# KiCad board Eclipse60.kicad_pcb (continued)
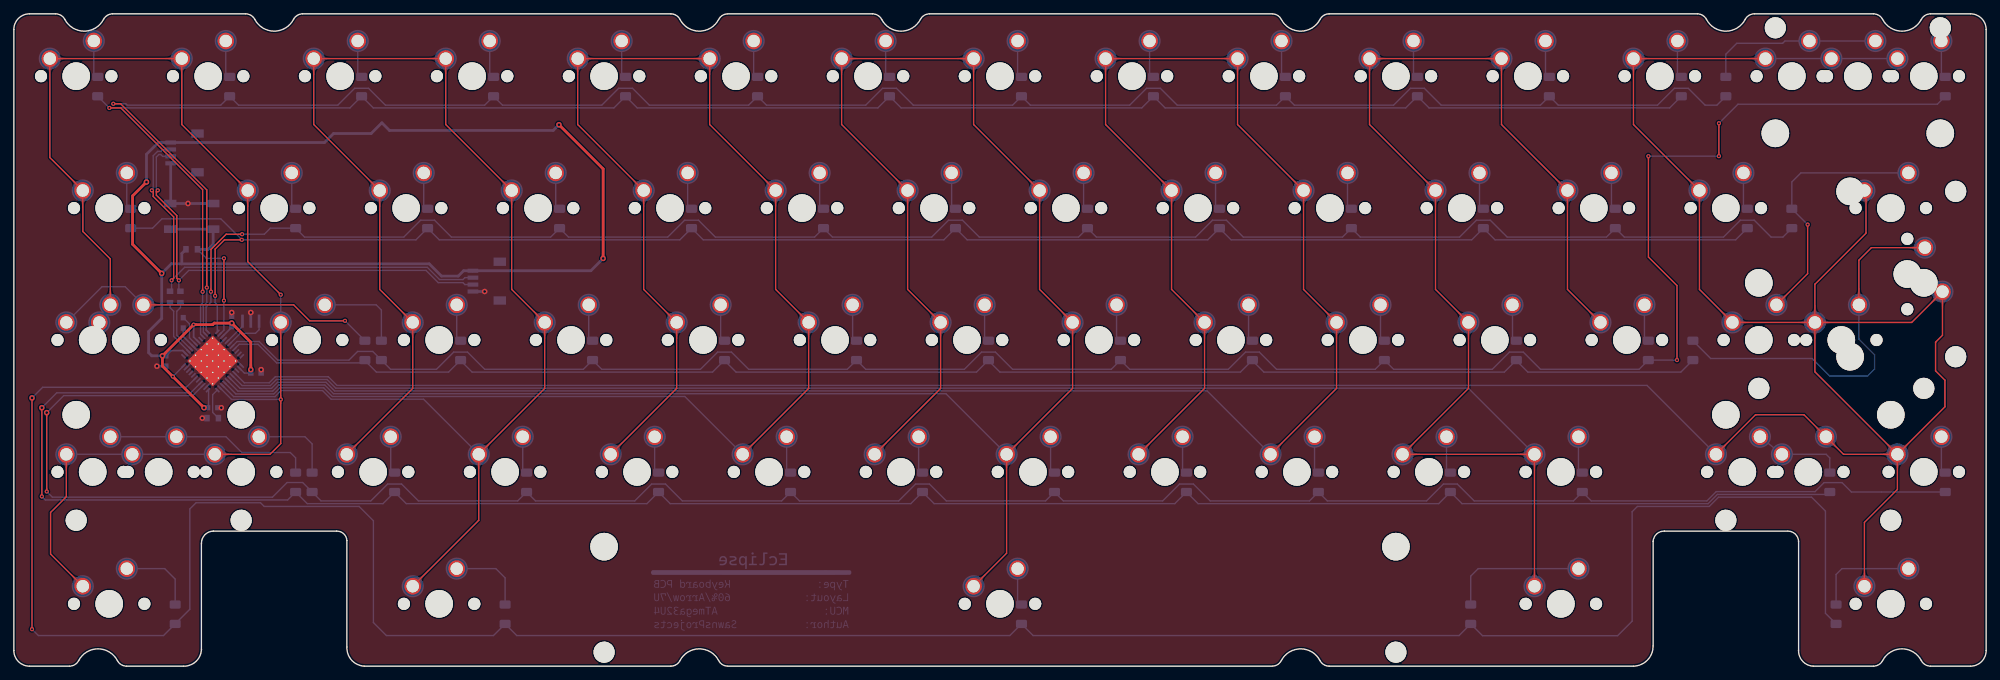
[diagram p0: board, top side]
## Copper pours and planes (outline as drawn; the poured copper is in the pictures) (continued)
C1 on Top: 62.44,85.35 62.44,85.45 62.45,85.55 62.46,85.64 62.47,85.72 62.48,85.8 62.5,85.87 62.52,85.94 62.55,86 62.57,86.06 62.6,86.12 62.63,86.17 62.67,86.22 62.7,86.27 62.74,86.32 63.12,86.74 63.16,86.8 63.21,86.86 63.25,86.92 63.29,86.99 63.34,87.06 63.38,87.14 63.42,87.22 62.34,88.34 61.26,87.22 61.3,87.14 61.34,87.06 61.39,86.99 61.43,86.92 61.47,86.86 61.52,86.8 61.56,86.74 61.94,86.32 61.98,86.27 62.01,86.22 62.05,86.17 62.08,86.12 62.11,86.06 62.13,86 62.16,85.94 62.18,85.87 62.2,85.8 62.21,85.72 62.22,85.64 62.23,85.55 62.24,85.45 62.24,85.35
C1 on Top: 70.1,70.31 70.18,70.24 70.24,70.17 70.29,70.1 70.34,70.03 70.39,69.96 70.43,69.9 70.46,69.84 70.49,69.77 70.51,69.71 70.53,69.65 70.55,69.59 70.56,69.53 70.57,69.48 70.58,69.42 70.61,68.85 70.62,68.78 70.63,68.7 70.64,68.63 70.66,68.55 70.68,68.47 70.7,68.38 70.73,68.3 72.29,68.27 72.26,69.82 72.17,69.85 72.09,69.88 72.01,69.9 71.93,69.91 71.85,69.93 71.78,69.94 71.71,69.94 71.14,69.98 71.08,69.99 71.02,70 70.96,70.01 70.9,70.03 70.84,70.05 70.78,70.07 70.72,70.1 70.66,70.13 70.59,70.17 70.53,70.21 70.46,70.26 70.39,70.32 70.32,70.38 70.25,70.45
C1 on Top: 74.87,51.26 74.94,51.19 75,51.12 75.06,51.05 75.11,50.98 75.15,50.91 75.19,50.85 75.22,50.79 75.25,50.72 75.27,50.66 75.29,50.6 75.31,50.54 75.32,50.48 75.33,50.43 75.34,50.37 75.37,49.8 75.38,49.73 75.39,49.65 75.41,49.58 75.42,49.5 75.44,49.42 75.47,49.33 75.49,49.25 77.05,49.22 77.02,50.77 76.93,50.8 76.85,50.83 76.77,50.85 76.69,50.86 76.62,50.88 76.54,50.89 76.47,50.89 75.9,50.93 75.84,50.94 75.78,50.95 75.72,50.96 75.66,50.98 75.6,51 75.54,51.02 75.48,51.05 75.42,51.08 75.35,51.12 75.29,51.16 75.22,51.21 75.15,51.27 75.08,51.33 75.01,51.4
C1 on Top: 71.97,66.3 71.97,66.4 71.97,66.5 71.98,66.59 71.99,66.67 72.01,66.75 72.03,66.82 72.05,66.89 72.07,66.95 72.1,67.01 72.13,67.07 72.16,67.12 72.19,67.17 72.23,67.22 72.26,67.27 72.64,67.69 72.69,67.75 72.73,67.81 72.77,67.87 72.82,67.94 72.86,68.01 72.9,68.09 72.95,68.17 71.87,69.29 70.79,68.17 70.83,68.09 70.87,68.01 70.91,67.94 70.96,67.87 71,67.81 71.04,67.75 71.09,67.69 71.47,67.27 71.5,67.22 71.54,67.17 71.57,67.12 71.6,67.07 71.63,67.01 71.66,66.95 71.68,66.89 71.7,66.82 71.72,66.75 71.74,66.67 71.75,66.59 71.76,66.5 71.76,66.4 71.77,66.3
C1 on Top: 55.82,51.26 55.89,51.19 55.95,51.12 56.01,51.05 56.06,50.98 56.1,50.91 56.14,50.85 56.17,50.79 56.2,50.72 56.22,50.66 56.24,50.6 56.26,50.54 56.27,50.48 56.28,50.43 56.29,50.37 56.32,49.8 56.33,49.73 56.34,49.65 56.36,49.58 56.37,49.5 56.39,49.42 56.42,49.33 56.44,49.25 58,49.22 57.97,50.77 57.88,50.8 57.8,50.83 57.72,50.85 57.64,50.86 57.57,50.88 57.49,50.89 57.42,50.89 56.85,50.93 56.79,50.94 56.73,50.95 56.67,50.96 56.61,50.98 56.55,51 56.49,51.02 56.43,51.05 56.37,51.08 56.3,51.12 56.24,51.16 56.17,51.21 56.1,51.27 56.03,51.33 55.96,51.4
C1 on Top: 52.92,66.3 52.92,66.4 52.92,66.5 52.93,66.59 52.94,66.67 52.96,66.75 52.98,66.82 53,66.89 53.02,66.95 53.05,67.01 53.08,67.07 53.11,67.12 53.14,67.17 53.18,67.22 53.21,67.27 53.59,67.69 53.64,67.75 53.68,67.81 53.72,67.87 53.77,67.94 53.81,68.01 53.85,68.09 53.9,68.17 52.82,69.29 51.74,68.17 51.78,68.09 51.82,68.01 51.86,67.94 51.91,67.87 51.95,67.81 51.99,67.75 52.04,67.69 52.42,67.27 52.45,67.22 52.49,67.17 52.52,67.12 52.55,67.07 52.58,67.01 52.61,66.95 52.63,66.89 52.65,66.82 52.67,66.75 52.69,66.67 52.7,66.59 52.71,66.5 52.71,66.4 52.72,66.3
C1 on Top: 51.05,70.31 51.13,70.24 51.19,70.17 51.24,70.1 51.29,70.03 51.34,69.96 51.38,69.9 51.41,69.84 51.44,69.77 51.46,69.71 51.48,69.65 51.5,69.59 51.51,69.53 51.52,69.48 51.53,69.42 51.56,68.85 51.57,68.78 51.58,68.7 51.59,68.63 51.61,68.55 51.63,68.47 51.65,68.38 51.68,68.3 53.24,68.27 53.21,69.82 53.12,69.85 53.04,69.88 52.96,69.9 52.88,69.91 52.8,69.93 52.73,69.94 52.66,69.94 52.09,69.98 52.03,69.99 51.97,70 51.91,70.01 51.85,70.03 51.79,70.05 51.73,70.07 51.67,70.1 51.61,70.13 51.54,70.17 51.48,70.21 51.41,70.26 51.34,70.32 51.27,70.38 51.2,70.45
C1 on Top: 43.39,85.35 43.39,85.45 43.4,85.55 43.41,85.64 43.42,85.72 43.43,85.8 43.45,85.87 43.47,85.94 43.5,86 43.52,86.06 43.55,86.12 43.58,86.17 43.62,86.22 43.65,86.27 43.69,86.32 44.07,86.74 44.11,86.8 44.16,86.86 44.2,86.92 44.24,86.99 44.29,87.06 44.33,87.14 44.37,87.22 43.29,88.34 42.21,87.22 42.25,87.14 42.29,87.06 42.34,86.99 42.38,86.92 42.42,86.86 42.47,86.8 42.51,86.74 42.89,86.32 42.93,86.27 42.96,86.22 43,86.17 43.03,86.12 43.06,86.06 43.08,86 43.11,85.94 43.13,85.87 43.15,85.8 43.16,85.72 43.17,85.64 43.18,85.55 43.19,85.45 43.19,85.35
C1 on Top: 76.73,47.25 76.73,47.35 76.73,47.45 76.74,47.54 76.76,47.62 76.77,47.7 76.79,47.77 76.81,47.84 76.84,47.9 76.86,47.96 76.89,48.02 76.92,48.07 76.95,48.12 76.99,48.17 77.03,48.22 77.4,48.64 77.45,48.7 77.49,48.76 77.54,48.82 77.58,48.89 77.62,48.96 77.67,49.04 77.71,49.12 76.63,50.24 75.55,49.12 75.59,49.04 75.63,48.96 75.67,48.89 75.72,48.82 75.76,48.76 75.81,48.7 75.85,48.64 76.23,48.22 76.27,48.17 76.3,48.12 76.33,48.07 76.36,48.02 76.39,47.96 76.42,47.9 76.44,47.84 76.46,47.77 76.48,47.7 76.5,47.62 76.51,47.54 76.52,47.45 76.53,47.35 76.53,47.25
C1 on Top: 68.72,32.35 68.65,32.28 68.58,32.22 68.51,32.16 68.44,32.11 68.38,32.07 68.31,32.03 68.25,32 68.19,31.97 68.13,31.95 68.07,31.93 68.01,31.91 67.95,31.9 67.89,31.89 67.83,31.88 67.26,31.84 67.19,31.84 67.11,31.83 67.04,31.81 66.96,31.8 66.88,31.78 66.8,31.75 66.71,31.72 66.68,30.17 68.24,30.2 68.26,30.28 68.29,30.37 68.31,30.45 68.32,30.53 68.34,30.6 68.35,30.68 68.36,30.75 68.39,31.32 68.4,31.38 68.41,31.43 68.42,31.49 68.44,31.55 68.46,31.61 68.48,31.67 68.51,31.74 68.54,31.8 68.58,31.86 68.62,31.93 68.67,32 68.73,32.07 68.79,32.14 68.86,32.21
C1 on Top: 57.68,47.25 57.68,47.35 57.68,47.45 57.69,47.54 57.71,47.62 57.72,47.7 57.74,47.77 57.76,47.84 57.79,47.9 57.81,47.96 57.84,48.02 57.87,48.07 57.9,48.12 57.94,48.17 57.98,48.22 58.35,48.64 58.4,48.7 58.44,48.76 58.49,48.82 58.53,48.89 58.57,48.96 58.62,49.04 58.66,49.12 57.58,50.24 56.5,49.12 56.54,49.04 56.58,48.96 56.62,48.89 56.67,48.82 56.71,48.76 56.76,48.7 56.8,48.64 57.18,48.22 57.22,48.17 57.25,48.12 57.28,48.07 57.31,48.02 57.34,47.96 57.37,47.9 57.39,47.84 57.41,47.77 57.43,47.7 57.45,47.62 57.46,47.54 57.47,47.45 57.48,47.35 57.48,47.25
C1 on Top: 49.67,32.35 49.6,32.28 49.53,32.22 49.46,32.16 49.39,32.11 49.33,32.07 49.26,32.03 49.2,32 49.14,31.97 49.08,31.95 49.02,31.93 48.96,31.91 48.9,31.9 48.84,31.89 48.78,31.88 48.21,31.84 48.14,31.84 48.06,31.83 47.99,31.81 47.91,31.8 47.83,31.78 47.75,31.75 47.66,31.72 47.63,30.17 49.19,30.2 49.21,30.28 49.24,30.37 49.26,30.45 49.27,30.53 49.29,30.6 49.3,30.68 49.31,30.75 49.34,31.32 49.35,31.38 49.36,31.43 49.37,31.49 49.39,31.55 49.41,31.61 49.43,31.67 49.46,31.74 49.49,31.8 49.53,31.86 49.57,31.93 49.62,32 49.68,32.07 49.74,32.14 49.81,32.21
C1 on Top: 67.2,28.2 67.2,28.3 67.21,28.4 67.22,28.49 67.23,28.57 67.25,28.65 67.27,28.72 67.29,28.79 67.31,28.85 67.34,28.91 67.37,28.97 67.4,29.02 67.43,29.07 67.46,29.12 67.5,29.17 67.88,29.59 67.92,29.65 67.97,29.71 68.01,29.77 68.06,29.84 68.1,29.91 68.14,29.99 68.18,30.07 67.1,31.19 66.02,30.07 66.06,29.99 66.11,29.91 66.15,29.84 66.19,29.77 66.24,29.71 66.28,29.65 66.33,29.59 66.7,29.17 66.74,29.12 66.78,29.07 66.81,29.02 66.84,28.97 66.87,28.91 66.89,28.85 66.92,28.79 66.94,28.72 66.96,28.65 66.97,28.57 66.99,28.49 67,28.4 67,28.3 67,28.2
C1 on Top: 59.2,13.3 59.12,13.23 59.05,13.17 58.98,13.11 58.92,13.06 58.85,13.02 58.79,12.98 58.72,12.95 58.66,12.92 58.6,12.9 58.54,12.88 58.48,12.86 58.42,12.85 58.36,12.84 58.3,12.83 57.73,12.79 57.66,12.79 57.59,12.78 57.51,12.76 57.44,12.75 57.35,12.73 57.27,12.7 57.18,12.67 57.15,11.12 58.71,11.15 58.74,11.23 58.76,11.32 58.78,11.4 58.8,11.48 58.81,11.55 58.82,11.63 58.83,11.7 58.87,12.27 58.87,12.33 58.88,12.38 58.9,12.44 58.91,12.5 58.93,12.56 58.96,12.62 58.98,12.69 59.02,12.75 59.05,12.81 59.1,12.88 59.15,12.95 59.2,13.02 59.27,13.09 59.34,13.16
C1 on Bottom: 65.34,32.21 65.41,32.14 65.48,32.07 65.53,32 65.58,31.93 65.63,31.86 65.66,31.8 65.7,31.74 65.72,31.67 65.75,31.61 65.77,31.55 65.78,31.49 65.8,31.43 65.81,31.38 65.81,31.32 65.85,30.75 65.86,30.68 65.87,30.6 65.88,30.53 65.9,30.45 65.92,30.37 65.94,30.28 65.97,30.2 67.53,30.17 67.5,31.72 67.41,31.75 67.33,31.78 67.24,31.8 67.17,31.81 67.09,31.83 67.02,31.84 66.95,31.84 66.38,31.88 66.32,31.89 66.26,31.9 66.2,31.91 66.14,31.93 66.08,31.95 66.02,31.97 65.96,32 65.89,32.03 65.83,32.07 65.76,32.11 65.7,32.16 65.63,32.22 65.56,32.28 65.48,32.35
C1 on Bottom: 64.78,32.78 64.87,32.68 64.96,32.58 65.03,32.49 65.1,32.4 65.16,32.31 65.21,32.22 65.25,32.14 65.28,32.06 65.31,31.97 65.34,31.89 65.36,31.81 65.38,31.73 65.39,31.65 65.4,31.57 65.4,31.49 65.41,31.41 65.42,30.99 65.43,30.9 65.43,30.81 65.44,30.71 65.46,30.61 65.47,30.51 65.49,30.4 65.52,30.3 65.55,30.18 65.59,30.07 67.67,30.02 67.63,32.1 67.51,32.14 67.4,32.17 67.29,32.2 67.18,32.22 67.08,32.24 66.98,32.25 66.89,32.26 66.8,32.27 66.7,32.27 66.28,32.29 66.2,32.29 66.12,32.3 66.04,32.31 65.96,32.32 65.88,32.33 65.8,32.35 65.72,32.38 65.64,32.41 65.55,32.44 65.47,32.49 65.38,32.54 65.29,32.6 65.2,32.66 65.11,32.74 65.02,32.82 64.92,32.92
C2 on Top: 98.05,87.64 98.15,87.64 98.25,87.63 98.34,87.62 98.42,87.61 98.5,87.6 98.57,87.58 98.64,87.56 98.7,87.53 98.76,87.51 98.81,87.48 98.87,87.45 98.92,87.41 98.97,87.38 99.02,87.34 99.44,86.96 99.5,86.92 99.56,86.88 99.62,86.83 99.69,86.79 99.76,86.74 99.84,86.7 99.92,86.66 101.04,87.74 99.92,88.82 99.84,88.78 99.76,88.74 99.69,88.69 99.62,88.65 99.56,88.61 99.5,88.56 99.44,88.52 99.02,88.14 98.97,88.1 98.92,88.07 98.87,88.03 98.81,88 98.76,87.97 98.7,87.95 98.64,87.92 98.57,87.9 98.5,87.88 98.42,87.87 98.34,87.86 98.25,87.85 98.15,87.84 98.05,87.84
C2 on Top: 83.78,87.84 83.68,87.84 83.58,87.85 83.49,87.86 83.41,87.87 83.33,87.88 83.26,87.9 83.19,87.92 83.13,87.95 83.07,87.97 83.02,88 82.96,88.03 82.91,88.07 82.86,88.1 82.81,88.14 82.39,88.52 82.33,88.56 82.27,88.61 82.21,88.65 82.14,88.69 82.07,88.74 81.99,88.78 81.91,88.82 80.79,87.74 81.91,86.66 81.99,86.7 82.07,86.74 82.14,86.79 82.21,86.83 82.27,86.88 82.33,86.92 82.39,86.96 82.81,87.34 82.86,87.38 82.91,87.41 82.96,87.45 83.02,87.48 83.07,87.51 83.13,87.53 83.19,87.56 83.26,87.58 83.33,87.6 83.41,87.61 83.49,87.62 83.58,87.63 83.68,87.64 83.78,87.64
C2 on Top: 89.15,70.31 89.23,70.24 89.29,70.17 89.34,70.1 89.39,70.03 89.44,69.96 89.48,69.9 89.51,69.84 89.54,69.77 89.56,69.71 89.58,69.65 89.6,69.59 89.61,69.53 89.62,69.48 89.63,69.42 89.66,68.85 89.67,68.78 89.68,68.7 89.69,68.63 89.71,68.55 89.73,68.47 89.75,68.38 89.78,68.3 91.34,68.27 91.31,69.82 91.22,69.85 91.14,69.88 91.06,69.9 90.98,69.91 90.9,69.93 90.83,69.94 90.76,69.94 90.19,69.98 90.13,69.99 90.07,70 90.01,70.01 89.95,70.03 89.89,70.05 89.83,70.07 89.77,70.1 89.71,70.13 89.64,70.17 89.58,70.21 89.51,70.26 89.44,70.32 89.37,70.38 89.3,70.45
C2 on Top: 110.07,66.3 110.07,66.4 110.07,66.5 110.08,66.59 110.09,66.67 110.11,66.75 110.13,66.82 110.15,66.89 110.17,66.95 110.2,67.01 110.23,67.07 110.26,67.12 110.29,67.17 110.33,67.22 110.36,67.27 110.74,67.69 110.79,67.75 110.83,67.81 110.87,67.87 110.92,67.94 110.96,68.01 111,68.09 111.05,68.17 109.97,69.29 108.89,68.17 108.93,68.09 108.97,68.01 109.01,67.94 109.06,67.87 109.1,67.81 109.14,67.75 109.19,67.69 109.57,67.27 109.6,67.22 109.64,67.17 109.67,67.12 109.7,67.07 109.73,67.01 109.76,66.95 109.78,66.89 109.8,66.82 109.82,66.75 109.84,66.67 109.85,66.59 109.86,66.5 109.86,66.4 109.87,66.3
C2 on Top: 112.97,51.26 113.04,51.19 113.1,51.12 113.16,51.05 113.21,50.98 113.25,50.91 113.29,50.85 113.32,50.79 113.35,50.72 113.37,50.66 113.39,50.6 113.41,50.54 113.42,50.48 113.43,50.43 113.44,50.37 113.47,49.8 113.48,49.73 113.49,49.65 113.51,49.58 113.52,49.5 113.54,49.42 113.57,49.33 113.59,49.25 115.15,49.22 115.12,50.77 115.03,50.8 114.95,50.83 114.87,50.85 114.79,50.86 114.72,50.88 114.64,50.89 114.57,50.89 114,50.93 113.94,50.94 113.88,50.95 113.82,50.96 113.76,50.98 113.7,51 113.64,51.02 113.58,51.05 113.52,51.08 113.45,51.12 113.39,51.16 113.32,51.21 113.25,51.27 113.18,51.33 113.11,51.4
C2 on Top: 108.2,70.31 108.28,70.24 108.34,70.17 108.39,70.1 108.44,70.03 108.49,69.96 108.53,69.9 108.56,69.84 108.59,69.77 108.61,69.71 108.63,69.65 108.65,69.59 108.66,69.53 108.67,69.48 108.68,69.42 108.71,68.85 108.72,68.78 108.73,68.7 108.74,68.63 108.76,68.55 108.78,68.47 108.8,68.38 108.83,68.3 110.39,68.27 110.36,69.82 110.27,69.85 110.19,69.88 110.11,69.9 110.03,69.91 109.95,69.93 109.88,69.94 109.81,69.94 109.24,69.98 109.18,69.99 109.12,70 109.06,70.01 109,70.03 108.94,70.05 108.88,70.07 108.82,70.1 108.76,70.13 108.69,70.17 108.63,70.21 108.56,70.26 108.49,70.32 108.42,70.38 108.35,70.45
C2 on Top: 81.49,85.35 81.49,85.45 81.5,85.55 81.51,85.64 81.52,85.72 81.53,85.8 81.55,85.87 81.57,85.94 81.6,86 81.62,86.06 81.65,86.12 81.68,86.17 81.72,86.22 81.75,86.27 81.79,86.32 82.17,86.74 82.21,86.8 82.26,86.86 82.3,86.92 82.34,86.99 82.39,87.06 82.43,87.14 82.47,87.22 81.39,88.34 80.31,87.22 80.35,87.14 80.39,87.06 80.44,86.99 80.48,86.92 80.52,86.86 80.57,86.8 80.61,86.74 80.99,86.32 81.03,86.27 81.06,86.22 81.1,86.17 81.13,86.12 81.16,86.06 81.18,86 81.21,85.94 81.23,85.87 81.25,85.8 81.26,85.72 81.27,85.64 81.28,85.55 81.29,85.45 81.29,85.35
C2 on Top: 100.54,85.35 100.54,85.45 100.55,85.55 100.56,85.64 100.57,85.72 100.58,85.8 100.6,85.87 100.62,85.94 100.65,86 100.67,86.06 100.7,86.12 100.73,86.17 100.77,86.22 100.8,86.27 100.84,86.32 101.22,86.74 101.26,86.8 101.31,86.86 101.35,86.92 101.39,86.99 101.44,87.06 101.48,87.14 101.52,87.22 100.44,88.34 99.36,87.22 99.4,87.14 99.44,87.06 99.49,86.99 99.53,86.92 99.57,86.86 99.62,86.8 99.66,86.74 100.04,86.32 100.08,86.27 100.11,86.22 100.15,86.17 100.18,86.12 100.21,86.06 100.23,86 100.26,85.94 100.28,85.87 100.3,85.8 100.31,85.72 100.32,85.64 100.33,85.55 100.34,85.45 100.34,85.35
C2 on Top: 93.92,51.26 93.99,51.19 94.05,51.12 94.11,51.05 94.16,50.98 94.2,50.91 94.24,50.85 94.27,50.79 94.3,50.72 94.32,50.66 94.34,50.6 94.36,50.54 94.37,50.48 94.38,50.43 94.39,50.37 94.42,49.8 94.43,49.73 94.44,49.65 94.46,49.58 94.47,49.5 94.49,49.42 94.52,49.33 94.54,49.25 96.1,49.22 96.07,50.77 95.98,50.8 95.9,50.83 95.82,50.85 95.74,50.86 95.67,50.88 95.59,50.89 95.52,50.89 94.95,50.93 94.89,50.94 94.83,50.95 94.77,50.96 94.71,50.98 94.65,51 94.59,51.02 94.53,51.05 94.47,51.08 94.4,51.12 94.34,51.16 94.27,51.21 94.2,51.27 94.13,51.33 94.06,51.4
C2 on Top: 91.02,66.3 91.02,66.4 91.02,66.5 91.03,66.59 91.04,66.67 91.06,66.75 91.08,66.82 91.1,66.89 91.12,66.95 91.15,67.01 91.18,67.07 91.21,67.12 91.24,67.17 91.28,67.22 91.31,67.27 91.69,67.69 91.74,67.75 91.78,67.81 91.82,67.87 91.87,67.94 91.91,68.01 91.95,68.09 92,68.17 90.92,69.29 89.84,68.17 89.88,68.09 89.92,68.01 89.96,67.94 90.01,67.87 90.05,67.81 90.09,67.75 90.14,67.69 90.52,67.27 90.55,67.22 90.59,67.17 90.62,67.12 90.65,67.07 90.68,67.01 90.71,66.95 90.73,66.89 90.75,66.82 90.77,66.75 90.79,66.67 90.8,66.59 90.81,66.5 90.81,66.4 90.82,66.3
C2 on Top: 95.78,47.25 95.78,47.35 95.78,47.45 95.79,47.54 95.81,47.62 95.82,47.7 95.84,47.77 95.86,47.84 95.89,47.9 95.91,47.96 95.94,48.02 95.97,48.07 96,48.12 96.04,48.17 96.08,48.22 96.45,48.64 96.5,48.7 96.54,48.76 96.59,48.82 96.63,48.89 96.67,48.96 96.72,49.04 96.76,49.12 95.68,50.24 94.6,49.12 94.64,49.04 94.68,48.96 94.72,48.89 94.77,48.82 94.81,48.76 94.86,48.7 94.9,48.64 95.28,48.22 95.32,48.17 95.35,48.12 95.38,48.07 95.41,48.02 95.44,47.96 95.47,47.9 95.49,47.84 95.51,47.77 95.53,47.7 95.55,47.62 95.56,47.54 95.57,47.45 95.58,47.35 95.58,47.25
C2 on Top: 87.77,32.35 87.7,32.28 87.63,32.22 87.56,32.16 87.49,32.11 87.43,32.07 87.36,32.03 87.3,32 87.24,31.97 87.18,31.95 87.12,31.93 87.06,31.91 87,31.9 86.94,31.89 86.88,31.88 86.31,31.84 86.24,31.84 86.16,31.83 86.09,31.81 86.01,31.8 85.93,31.78 85.85,31.75 85.76,31.72 85.73,30.17 87.29,30.2 87.31,30.28 87.34,30.37 87.36,30.45 87.37,30.53 87.39,30.6 87.4,30.68 87.41,30.75 87.44,31.32 87.45,31.38 87.46,31.43 87.47,31.49 87.49,31.55 87.51,31.61 87.53,31.67 87.56,31.74 87.59,31.8 87.63,31.86 87.67,31.93 87.72,32 87.78,32.07 87.84,32.14 87.91,32.21
C2 on Top: 114.83,47.25 114.83,47.35 114.83,47.45 114.84,47.54 114.86,47.62 114.87,47.7 114.89,47.77 114.91,47.84 114.94,47.9 114.96,47.96 114.99,48.02 115.02,48.07 115.05,48.12 115.09,48.17 115.13,48.22 115.5,48.64 115.55,48.7 115.59,48.76 115.64,48.82 115.68,48.89 115.72,48.96 115.77,49.04 115.81,49.12 114.73,50.24 113.65,49.12 113.69,49.04 113.73,48.96 113.77,48.89 113.82,48.82 113.86,48.76 113.91,48.7 113.95,48.64 114.33,48.22 114.37,48.17 114.4,48.12 114.43,48.07 114.46,48.02 114.49,47.96 114.52,47.9 114.54,47.84 114.56,47.77 114.58,47.7 114.6,47.62 114.61,47.54 114.62,47.45 114.63,47.35 114.63,47.25
C2 on Top: 106.82,32.35 106.75,32.28 106.68,32.22 106.61,32.16 106.54,32.11 106.48,32.07 106.41,32.03 106.35,32 106.29,31.97 106.23,31.95 106.17,31.93 106.11,31.91 106.05,31.9 105.99,31.89 105.93,31.88 105.36,31.84 105.29,31.84 105.21,31.83 105.14,31.81 105.06,31.8 104.98,31.78 104.9,31.75 104.81,31.72 104.78,30.17 106.34,30.2 106.36,30.28 106.39,30.37 106.41,30.45 106.42,30.53 106.44,30.6 106.45,30.68 106.46,30.75 106.49,31.32 106.5,31.38 106.51,31.43 106.52,31.49 106.54,31.55 106.56,31.61 106.58,31.67 106.61,31.74 106.64,31.8 106.68,31.86 106.72,31.93 106.77,32 106.83,32.07 106.89,32.14 106.96,32.21
C2 on Bottom: 103.44,32.21 103.51,32.14 103.58,32.07 103.63,32 103.68,31.93 103.73,31.86 103.76,31.8 103.8,31.74 103.82,31.67 103.85,31.61 103.87,31.55 103.88,31.49 103.9,31.43 103.91,31.38 103.91,31.32 103.95,30.75 103.96,30.68 103.97,30.6 103.98,30.53 104,30.45 104.02,30.37 104.04,30.28 104.07,30.2 105.63,30.17 105.6,31.72 105.51,31.75 105.43,31.78 105.34,31.8 105.27,31.81 105.19,31.83 105.12,31.84 105.05,31.84 104.48,31.88 104.42,31.89 104.36,31.9 104.3,31.91 104.24,31.93 104.18,31.95 104.12,31.97 104.06,32 103.99,32.03 103.93,32.07 103.86,32.11 103.8,32.16 103.73,32.22 103.66,32.28 103.58,32.35
C2 on Bottom: 102.88,32.78 102.97,32.68 103.06,32.58 103.13,32.49 103.2,32.4 103.26,32.31 103.31,32.22 103.35,32.14 103.38,32.06 103.41,31.97 103.44,31.89 103.46,31.81 103.48,31.73 103.49,31.65 103.5,31.57 103.5,31.49 103.51,31.41 103.52,30.99 103.53,30.9 103.53,30.81 103.54,30.71 103.56,30.61 103.57,30.51 103.59,30.4 103.62,30.3 103.65,30.18 103.69,30.07 105.77,30.02 105.73,32.1 105.61,32.14 105.5,32.17 105.39,32.2 105.28,32.22 105.18,32.24 105.08,32.25 104.99,32.26 104.9,32.27 104.8,32.27 104.38,32.29 104.3,32.29 104.22,32.3 104.14,32.31 104.06,32.32 103.98,32.33 103.9,32.35 103.82,32.38 103.74,32.41 103.65,32.44 103.57,32.49 103.48,32.54 103.39,32.6 103.3,32.66 103.21,32.74 103.12,32.82 103.02,32.92
C3 on Top: 132.02,51.26 132.09,51.19 132.15,51.12 132.21,51.05 132.26,50.98 132.3,50.91 132.34,50.85 132.37,50.79 132.4,50.72 132.42,50.66 132.44,50.6 132.46,50.54 132.47,50.48 132.48,50.43 132.49,50.37 132.52,49.8 132.53,49.73 132.54,49.65 132.56,49.58 132.57,49.5 132.59,49.42 132.62,49.33 132.64,49.25 134.2,49.22 134.17,50.77 134.08,50.8 134,50.83 133.92,50.85 133.84,50.86 133.77,50.88 133.69,50.89 133.62,50.89 133.05,50.93 132.99,50.94 132.93,50.95 132.87,50.96 132.81,50.98 132.75,51 132.69,51.02 132.63,51.05 132.57,51.08 132.5,51.12 132.44,51.16 132.37,51.21 132.3,51.27 132.23,51.33 132.16,51.4
C3 on Top: 138.64,85.35 138.64,85.45 138.65,85.55 138.66,85.64 138.67,85.72 138.68,85.8 138.7,85.87 138.72,85.94 138.75,86 138.77,86.06 138.8,86.12 138.83,86.17 138.87,86.22 138.9,86.27 138.94,86.32 139.32,86.74 139.36,86.8 139.41,86.86 139.45,86.92 139.49,86.99 139.54,87.06 139.58,87.14 139.62,87.22 138.54,88.34 137.46,87.22 137.5,87.14 137.54,87.06 137.59,86.99 137.63,86.92 137.67,86.86 137.72,86.8 137.76,86.74 138.14,86.32 138.18,86.27 138.21,86.22 138.25,86.17 138.28,86.12 138.31,86.06 138.33,86 138.36,85.94 138.38,85.87 138.4,85.8 138.41,85.72 138.42,85.64 138.43,85.55 138.44,85.45 138.44,85.35
C3 on Top: 127.25,70.31 127.33,70.24 127.39,70.17 127.44,70.1 127.49,70.03 127.54,69.96 127.58,69.9 127.61,69.84 127.64,69.77 127.66,69.71 127.68,69.65 127.7,69.59 127.71,69.53 127.72,69.48 127.73,69.42 127.76,68.85 127.77,68.78 127.78,68.7 127.79,68.63 127.81,68.55 127.83,68.47 127.85,68.38 127.88,68.3 129.44,68.27 129.41,69.82 129.32,69.85 129.24,69.88 129.16,69.9 129.08,69.91 129,69.93 128.93,69.94 128.86,69.94 128.29,69.98 128.23,69.99 128.17,70 128.11,70.01 128.05,70.03 127.99,70.05 127.93,70.07 127.87,70.1 127.81,70.13 127.74,70.17 127.68,70.21 127.61,70.26 127.54,70.32 127.47,70.38 127.4,70.45
C3 on Top: 119.59,85.35 119.59,85.45 119.6,85.55 119.61,85.64 119.62,85.72 119.63,85.8 119.65,85.87 119.67,85.94 119.7,86 119.72,86.06 119.75,86.12 119.78,86.17 119.82,86.22 119.85,86.27 119.89,86.32 120.27,86.74 120.31,86.8 120.36,86.86 120.4,86.92 120.44,86.99 120.49,87.06 120.53,87.14 120.57,87.22 119.49,88.34 118.41,87.22 118.45,87.14 118.49,87.06 118.54,86.99 118.58,86.92 118.62,86.86 118.67,86.8 118.71,86.74 119.09,86.32 119.13,86.27 119.16,86.22 119.2,86.17 119.23,86.12 119.26,86.06 119.28,86 119.31,85.94 119.33,85.87 119.35,85.8 119.36,85.72 119.37,85.64 119.38,85.55 119.39,85.45 119.39,85.35
C3 on Top: 129.12,66.3 129.12,66.4 129.12,66.5 129.13,66.59 129.14,66.67 129.16,66.75 129.18,66.82 129.2,66.89 129.22,66.95 129.25,67.01 129.28,67.07 129.31,67.12 129.34,67.17 129.38,67.22 129.41,67.27 129.79,67.69 129.84,67.75 129.88,67.81 129.92,67.87 129.97,67.94 130.01,68.01 130.05,68.09 130.1,68.17 129.02,69.29 127.94,68.17 127.98,68.09 128.02,68.01 128.06,67.94 128.11,67.87 128.15,67.81 128.19,67.75 128.24,67.69 128.62,67.27 128.65,67.22 128.69,67.17 128.72,67.12 128.75,67.07 128.78,67.01 128.81,66.95 128.83,66.89 128.85,66.82 128.87,66.75 128.89,66.67 128.9,66.59 128.91,66.5 128.91,66.4 128.92,66.3
C3 on Top: 144.92,32.35 144.85,32.28 144.78,32.22 144.71,32.16 144.64,32.11 144.58,32.07 144.51,32.03 144.45,32 144.39,31.97 144.33,31.95 144.27,31.93 144.21,31.91 144.15,31.9 144.09,31.89 144.03,31.88 143.46,31.84 143.39,31.84 143.31,31.83 143.24,31.81 143.16,31.8 143.08,31.78 143,31.75 142.91,31.72 142.88,30.17 144.44,30.2 144.46,30.28 144.49,30.37 144.51,30.45 144.52,30.53 144.54,30.6 144.55,30.68 144.56,30.75 144.59,31.32 144.6,31.38 144.61,31.43 144.62,31.49 144.64,31.55 144.66,31.61 144.68,31.67 144.71,31.74 144.74,31.8 144.78,31.86 144.82,31.93 144.87,32 144.93,32.07 144.99,32.14 145.06,32.21
C3 on Top: 133.88,47.25 133.88,47.35 133.88,47.45 133.89,47.54 133.91,47.62 133.92,47.7 133.94,47.77 133.96,47.84 133.99,47.9 134.01,47.96 134.04,48.02 134.07,48.07 134.1,48.12 134.14,48.17 134.18,48.22 134.55,48.64 134.6,48.7 134.64,48.76 134.69,48.82 134.73,48.89 134.77,48.96 134.82,49.04 134.86,49.12 133.78,50.24 132.7,49.12 132.74,49.04 132.78,48.96 132.82,48.89 132.87,48.82 132.91,48.76 132.96,48.7 133,48.64 133.38,48.22 133.42,48.17 133.45,48.12 133.48,48.07 133.51,48.02 133.54,47.96 133.57,47.9 133.59,47.84 133.61,47.77 133.63,47.7 133.65,47.62 133.66,47.54 133.67,47.45 133.68,47.35 133.68,47.25
C3 on Top: 125.87,32.35 125.8,32.28 125.73,32.22 125.66,32.16 125.59,32.11 125.53,32.07 125.46,32.03 125.4,32 125.34,31.97 125.28,31.95 125.22,31.93 125.16,31.91 125.1,31.9 125.04,31.89 124.98,31.88 124.41,31.84 124.34,31.84 124.26,31.83 124.19,31.81 124.11,31.8 124.03,31.78 123.95,31.75 123.86,31.72 123.83,30.17 125.39,30.2 125.41,30.28 125.44,30.37 125.46,30.45 125.47,30.53 125.49,30.6 125.5,30.68 125.51,30.75 125.54,31.32 125.55,31.38 125.56,31.43 125.57,31.49 125.59,31.55 125.61,31.61 125.63,31.67 125.66,31.74 125.69,31.8 125.73,31.86 125.77,31.93 125.82,32 125.88,32.07 125.94,32.14 126.01,32.21
C3 on Top: 152.93,47.25 152.93,47.35 152.93,47.45 152.94,47.54 152.96,47.62 152.97,47.7 152.99,47.77 153.01,47.84 153.04,47.9 153.06,47.96 153.09,48.02 153.12,48.07 153.15,48.12 153.19,48.17 153.23,48.22 153.6,48.64 153.65,48.7 153.69,48.76 153.74,48.82 153.78,48.89 153.82,48.96 153.87,49.04 153.91,49.12 152.83,50.24 151.75,49.12 151.79,49.04 151.83,48.96 151.87,48.89 151.92,48.82 151.96,48.76 152.01,48.7 152.05,48.64 152.43,48.22 152.47,48.17 152.5,48.12 152.53,48.07 152.56,48.02 152.59,47.96 152.62,47.9 152.64,47.84 152.66,47.77 152.68,47.7 152.7,47.62 152.71,47.54 152.72,47.45 152.73,47.35 152.73,47.25